# Altium PCB HOST拼板.PcbDoc (part 2 of 4)
Units mm, origin at the board's own origin, x right, y up, seen from the top; angles counter-clockwise.
Board outline 115.7 x 187.58 mm, 2 copper layers (Top Layer, Bottom Layer); 330 components, 0 nets, 987 pads, 525 vias.
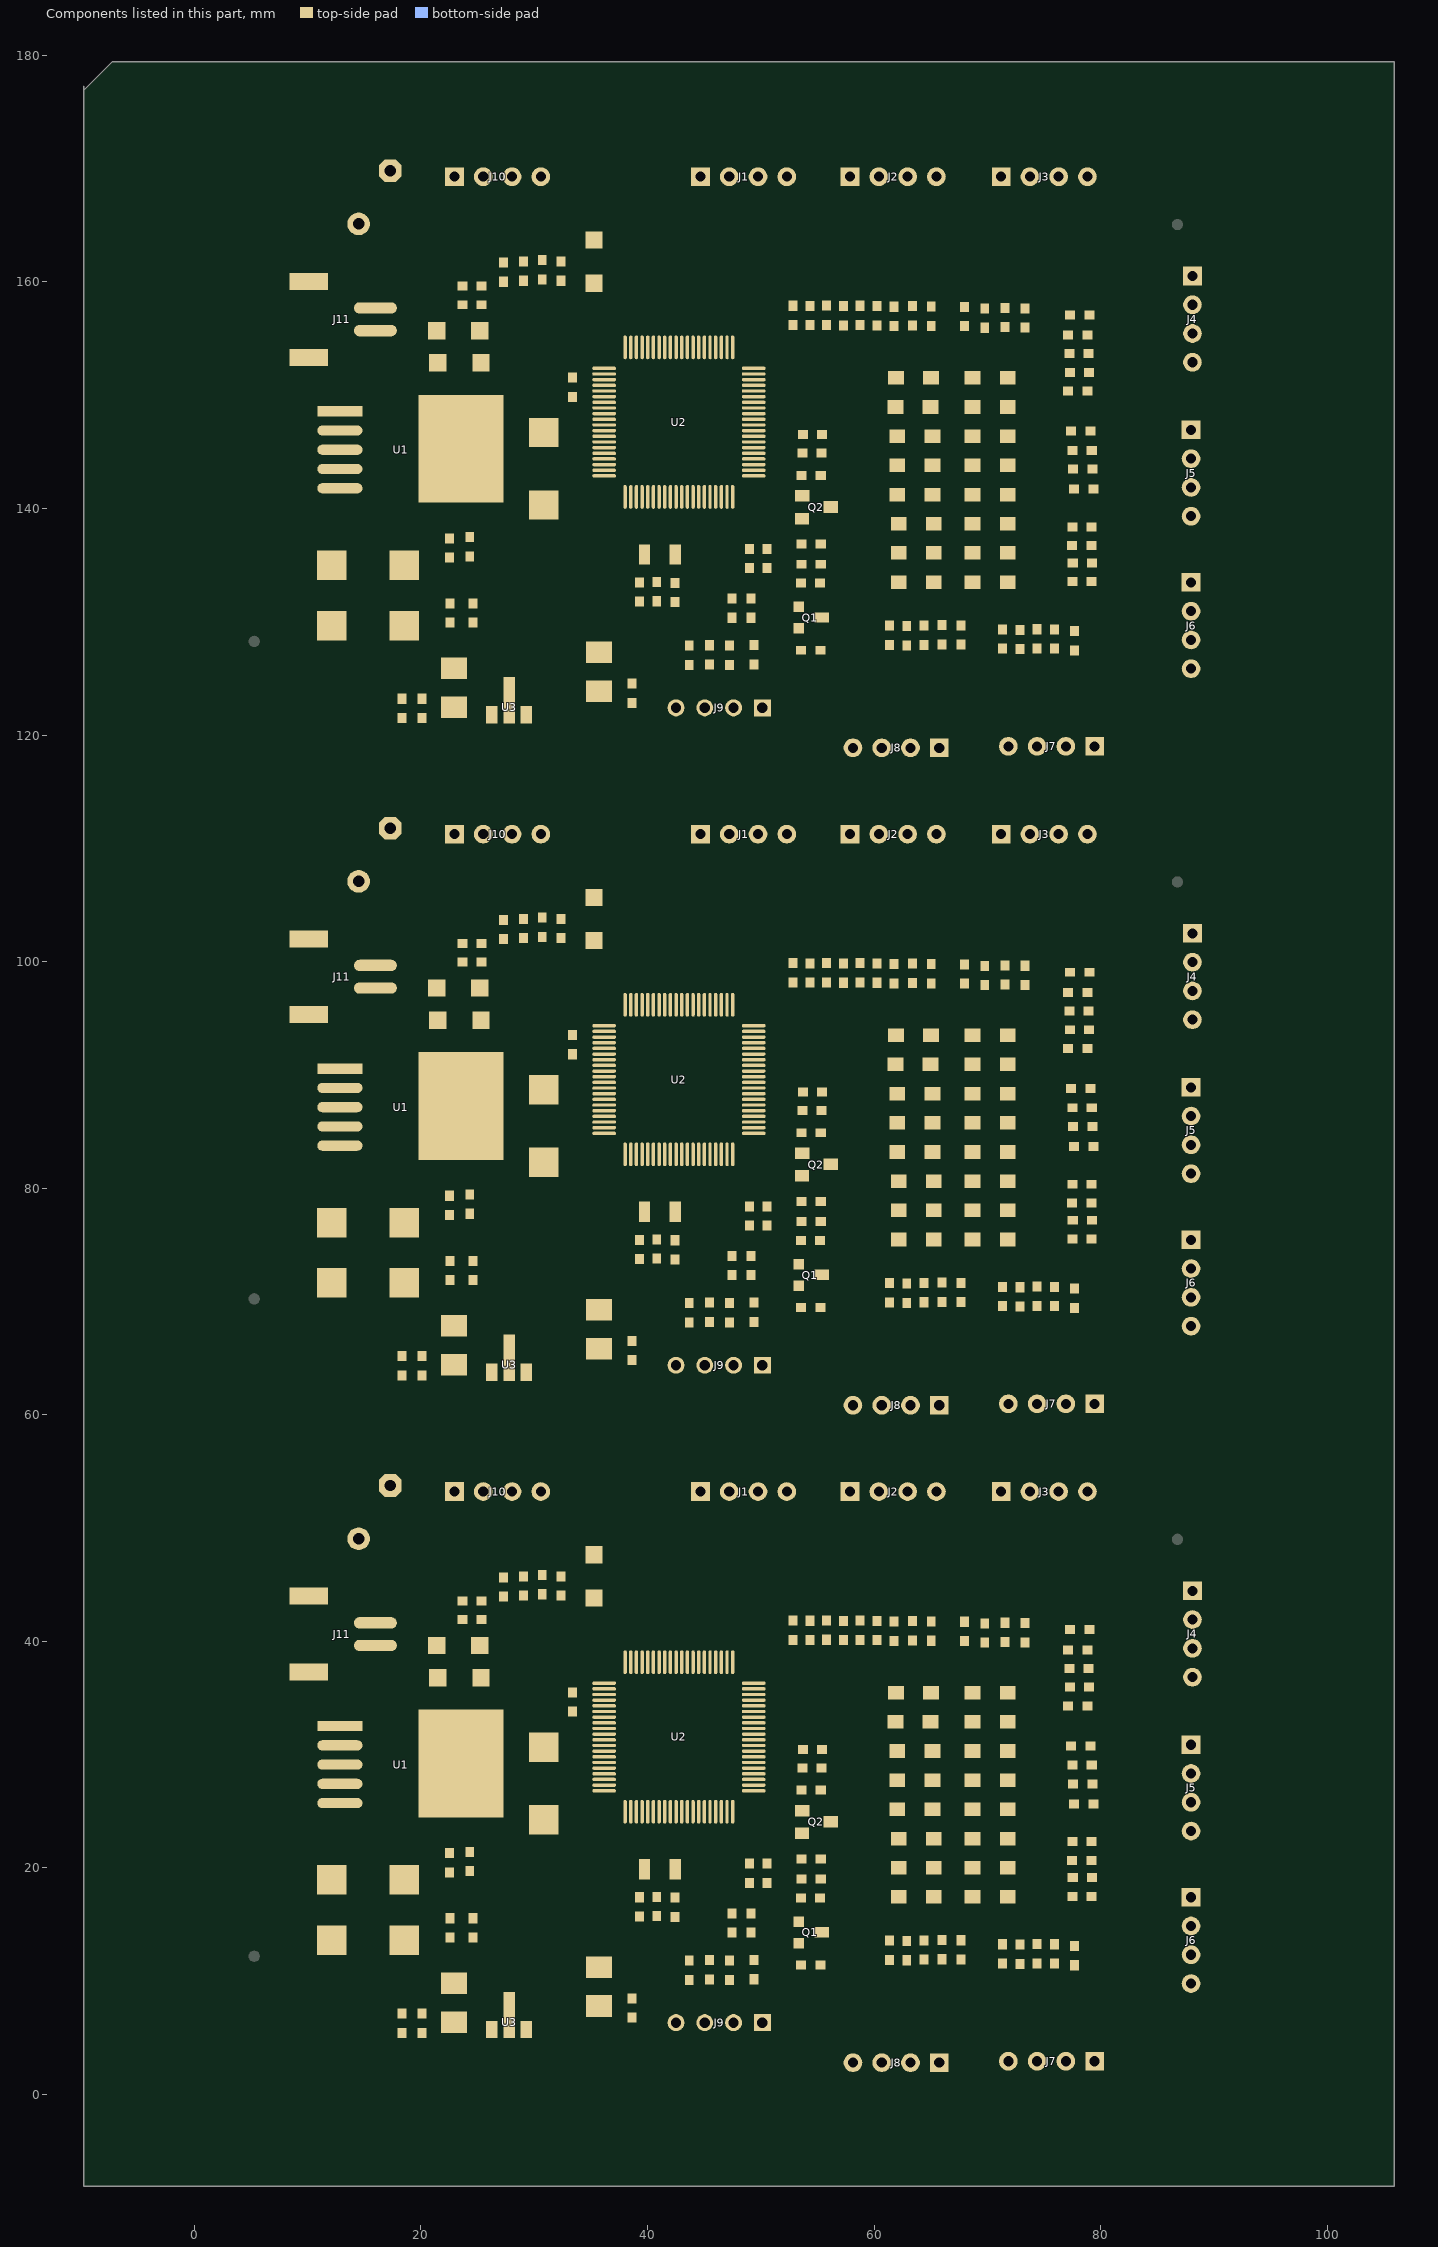
[diagram p2: the components of this part, seen from the top]

## Via types
v1: diameter 0.635, hole 0.381, Top Layer to Bottom Layer, tented both sides, 519 vias
v2: diameter 1.016, hole 0.635, Top Layer to Bottom Layer, tented both sides, 6 vias

## Nets (pads, with @x,y where several pads share a name; then routed paths per layer and width w, separated by ;. In a path a pad name is that pad's centre, name@x,y a point inside that pad or via, vN(x,y) a via of type N, cw(c..) or ccw(c..) an arc to the next point about the centre after c; other vN are vias at no path point) (continued)
copper on no net: (continued)
  Top Layer w0.254: 25.008,52.719 cw(c22.282,49.994) 26.137,49.994 ; 25.008,110.758 cw(c22.282,108.033) 26.137,108.033 ; 25.008,168.797 cw(c22.282,166.072) 26.137,166.072 ; 25.187,52.899 cw(c22.895,50.607) 26.137,50.607 ; 25.187,110.938 cw(c22.895,108.646) 26.137,108.646 ; 25.187,168.977 cw(c22.895,166.685) 26.137,166.685 ; 25.367,53.078 cw(c23.509,51.22) 26.137,51.22 ; 25.367,111.117 cw(c23.509,109.259) 26.137,109.259 ; 25.367,169.156 cw(c23.509,167.298) 26.137,167.298 ; 25.502,53.213 26.137,52.578 26.137,45.085 27.28,43.942 ; 25.502,111.252 26.137,110.617 26.137,103.124 27.28,101.981 ; 25.502,169.291 26.137,168.656 26.137,161.163 27.28,160.02 ; 25.547,53.258 cw(c24.122,51.833) 26.137,51.833 ; 25.547,111.297 cw(c24.122,109.872) 26.137,109.872 ; 25.547,169.336 cw(c24.122,167.911) 26.137,167.911 ; 25.726,53.438 cw(c24.735,52.446) 26.137,52.446 ; 25.726,111.477 cw(c24.735,110.485) 26.137,110.485 ; 25.726,169.516 cw(c24.735,168.524) 26.137,168.524 ; 26.738,44.484 ccw(c27.28,45.026) 27.28,44.259 ; 26.738,102.523 ccw(c27.28,103.065) 27.28,102.298 ; 26.738,160.562 ccw(c27.28,161.104) 27.28,160.338 ; 26.86,44.361 cw(c26.492,43.993) 27.013,43.993 ; 26.86,102.4 cw(c26.492,102.032) 27.013,102.032 ; 26.86,160.439 cw(c26.492,160.071) 27.013,160.071 ; 27.343,53.213 cw(c25.657,53.213) 26.849,52.021 cw(c28.042,50.828) 28.042,52.514 ; 27.343,111.252 cw(c25.657,111.252) 26.849,110.06 cw(c28.042,108.867) 28.042,110.553 ; 27.343,169.291 cw(c25.657,169.291) 26.849,168.099 cw(c28.042,166.906) 28.042,168.593 ; 27.597,53.213 cw(c26.524,53.213) 27.283,52.454 cw(c28.042,51.695) 28.042,52.768 ; 27.597,111.252 cw(c26.524,111.252) 27.283,110.493 cw(c28.042,109.734) 28.042,110.807 ; 27.597,169.291 cw(c26.524,169.291) 27.283,168.532 cw(c28.042,167.773) 28.042,168.846 ; 28.042,53.213 26.746,51.918 26.746,49.759 29.99,46.515 29.99,44.864 30.709,44.145 ; 28.042,111.252 26.746,109.957 26.746,107.798 29.99,104.554 29.99,102.903 30.709,102.184 ; 28.042,169.291 26.746,167.996 26.746,165.837 29.99,162.593 29.99,160.942 30.709,160.223 ; 30.167,44.687 ccw(c30.709,45.229) 30.709,44.463 ; 30.167,102.726 ccw(c30.709,103.268) 30.709,102.502 ; 30.167,160.765 ccw(c30.709,161.307) 30.709,160.541 ; 30.289,44.565 cw(c29.921,44.196) 30.442,44.196 ; 30.289,102.604 cw(c29.921,102.235) 30.442,102.235 ; 30.289,160.643 cw(c29.921,160.274) 30.442,160.274 ; 30.709,45.529 cw(c30.709,44.763) 31.251,45.305 ; 30.709,45.847 32.36,44.196 32.36,44.031 33.376,43.015 33.376,41.046 ; 30.709,103.569 cw(c30.709,102.802) 31.251,103.344 ; 30.709,103.886 32.36,102.235 32.36,102.07 33.376,101.054 33.376,99.085 ; 30.709,161.607 cw(c30.709,160.841) 31.251,161.383 ; 30.709,161.925 32.36,160.274 32.36,160.109 33.376,159.093 33.376,157.124 ; 30.975,45.796 ccw(c31.497,45.796) 31.128,45.428 ; 30.975,103.835 ccw(c31.497,103.835) 31.128,103.467 ; 30.975,161.874 ccw(c31.497,161.874) 31.128,161.506 ; 31.823,44.732 cw(c31.173,44.081) 32.093,44.081 ; 31.823,102.771 cw(c31.173,102.12) 32.093,102.12 ; 31.823,160.81 cw(c31.173,160.159) 32.093,160.159 ; 32.1,44.456 ccw(c32.36,44.716) 32.36,44.348 ; 32.1,102.495 ccw(c32.36,102.755) 32.36,102.387 ; 32.1,160.534 ccw(c32.36,160.794) 32.36,160.426 ; 32.36,43.713 cw(c32.36,42.947) 32.902,43.489 ; 32.36,101.752 cw(c32.36,100.986) 32.902,101.528 ; 32.36,159.791 cw(c32.36,159.025) 32.902,159.567 ; 32.626,43.98 ccw(c33.148,43.98) 32.779,43.611 ; 32.626,102.019 ccw(c33.148,102.019) 32.779,101.65 ; 32.626,160.058 ccw(c33.148,160.058) 32.779,159.689 ; 33.187,35.723 ccw(c32.732,36.178) 33.376,36.178 ccw(c34.019,36.178) 33.564,35.723 ; 33.187,93.762 ccw(c32.732,94.217) 33.376,94.217 ccw(c34.019,94.217) 33.564,93.762 ; 33.187,151.801 ccw(c32.732,152.256) 33.376,152.256 ccw(c34.019,152.256) 33.564,151.801 ; 33.331,33.596 ccw(c33.426,34.099) 33.787,33.737 ; 33.331,91.635 ccw(c33.426,92.138) 33.787,91.776 ; 33.331,149.674 ccw(c33.426,150.177) 33.787,149.815 ; 33.376,33.782 33.833,33.782 ; 33.376,41.681 33.376,41.046 ; 33.376,91.821 33.833,91.821 ; 33.376,99.72 33.376,99.085 ; 33.376,149.86 33.833,149.86 ; 33.376,157.759 33.376,157.124 ; 33.378,33.845 ccw(c33.534,34.671) 34.128,34.077 ; 33.378,91.884 ccw(c33.534,92.71) 34.128,92.116 ; 33.378,149.923 ccw(c33.534,150.749) 34.128,150.155 ; 33.425,34.095 ccw(c33.641,35.243) 34.468,34.417 ; 33.425,92.134 ccw(c33.641,93.282) 34.468,92.456 ; 33.425,150.173 ccw(c33.641,151.321) 34.468,150.495 ; 33.577,35.309 cw(c33.96,34.977) 33.96,35.484 ; 33.577,35.658 ccw(c33.96,35.99) 33.96,35.484 ; 33.577,93.348 cw(c33.96,93.016) 33.96,93.523 ; 33.577,93.697 ccw(c33.96,94.029) 33.96,93.523 ; 33.577,151.387 cw(c33.96,151.055) 33.96,151.562 ; 33.577,151.736 ccw(c33.96,152.068) 33.96,151.562 ; 33.608,33.651 cw(c33.833,33.523) 33.833,33.782 ; 33.608,33.913 ccw(c33.833,34.041) 33.833,33.782 ; 33.608,91.69 cw(c33.833,91.562) 33.833,91.821 ; 33.608,91.952 ccw(c33.833,92.08) 33.833,91.821 ; 33.608,149.729 cw(c33.833,149.601) 33.833,149.86 ; 33.608,149.991 ccw(c33.833,150.119) 33.833,149.86 ; 36.174,35.297 34.662,35.297 34.468,35.103 34.468,34.417 ; 36.174,36.297 34.773,36.297 33.96,35.484 ; 36.174,93.336 34.662,93.336 34.468,93.142 34.468,92.456 ; 36.174,94.336 34.773,94.336 33.96,93.523 ; 36.174,151.375 34.662,151.375 34.468,151.181 34.468,150.495 ; 36.174,152.375 34.773,152.375 33.96,151.562 ; 38.589,16.806 cw(c37.531,15.748) 39.027,15.748 ; 38.589,74.845 cw(c37.531,73.787) 39.027,73.787 ; 38.589,132.884 cw(c37.531,131.826) 39.027,131.826 ; 39.023,16.372 cw(c38.398,15.748) 39.281,15.748 ; 39.023,74.411 cw(c38.398,73.787) 39.281,73.787 ; 39.023,132.45 cw(c38.398,131.826) 39.281,131.826 ; 39.105,17.638 ccw(c38.65,18.094) 39.294,18.094 ccw(c39.938,18.094) 39.482,17.638 ccw(c39.968,18.124) 39.968,17.437 ; 39.105,75.677 ccw(c38.65,76.133) 39.294,76.133 ccw(c39.938,76.133) 39.482,75.677 ccw(c39.968,76.163) 39.968,75.476 ; 39.105,133.716 ccw(c38.65,134.172) 39.294,134.172 ccw(c39.938,134.172) 39.482,133.716 ccw(c39.968,134.202) 39.968,133.515 ; 39.294,15.697 39.294,16.101 38.575,16.82 38.575,20.82 39.065,21.311 42.436,21.311 43.024,21.898 43.024,24.947 ; 39.294,73.736 39.294,74.14 38.575,74.859 38.575,78.859 39.065,79.35 42.436,79.35 43.024,79.937 43.024,82.986 ; 39.294,131.775 39.294,132.179 38.575,132.898 38.575,136.898 39.065,137.389 42.436,137.389 43.024,137.976 43.024,141.025 ; 39.482,17.261 cw(c39.908,16.836) 39.908,17.437 ; 39.482,75.3 cw(c39.908,74.875) 39.908,75.476 ; 39.482,133.339 cw(c39.908,132.914) 39.908,133.515 ; 39.607,19.116 cw(c39.528,18.915) 39.743,18.915 ; 39.607,77.155 cw(c39.528,76.954) 39.743,76.954 ; 39.607,135.194 cw(c39.528,134.993) 39.743,134.993 ; 39.743,19.863 39.743,18.915 ; 39.743,77.902 39.743,76.954 ; 39.743,135.941 39.743,134.993 ; 39.88,19.116 ccw(c39.959,18.915) 39.743,18.915 ; 39.88,77.155 ccw(c39.959,76.954) 39.743,76.954 ; 39.88,135.194 ccw(c39.959,134.993) 39.743,134.993 ; 40.629,17.249 ccw(c40.174,16.793) 40.174,17.437 ccw(c40.174,18.081) 40.629,17.626 ; 40.629,75.288 ccw(c40.174,74.832) 40.174,75.476 ccw(c40.174,76.12) 40.629,75.665 ; 40.629,133.327 ccw(c40.174,132.871) 40.174,133.515 ccw(c40.174,134.159) 40.629,133.704 ; 40.818,15.736 40.894,15.659 42.443,15.659 ; 40.818,17.437 39.332,17.437 39.294,17.399 39.294,18.466 39.743,18.915 ; 40.818,73.775 40.894,73.698 42.443,73.698 ; 40.818,75.476 39.332,75.476 39.294,75.438 39.294,76.505 39.743,76.954 ; 40.818,131.814 40.894,131.737 42.443,131.737 ; 40.818,133.515 39.332,133.515 39.294,133.477 39.294,134.544 39.743,134.993 ; 41.006,15.496 cw(c41.4,15.102) 41.4,15.659 ; 41.006,15.873 ccw(c41.523,16.39) 41.523,15.659 ; 41.006,73.535 cw(c41.4,73.141) 41.4,73.698 ; 41.006,73.912 ccw(c41.523,74.429) 41.523,73.698 ; 41.006,131.574 cw(c41.4,131.18) 41.4,131.737 ; 41.006,131.951 ccw(c41.523,132.468) 41.523,131.737 ; v1@41.826,26.713 cw(c41.409,26.296) 41.999,26.296 ; v1@41.826,84.752 cw(c41.409,84.335) 41.999,84.335 ; v1@41.826,142.791 cw(c41.409,142.374) 41.999,142.374 ; v1(41.961,26.848) 41.999,26.81 41.999,24.972 42.024,24.947 ; v1(41.961,84.887) 41.999,84.849 41.999,83.011 42.024,82.986 ; v1(41.961,142.926) 41.999,142.888 41.999,141.05 42.024,141.025 ; 41.999,26.479 cw(c42.329,26.479) v1@42.096,26.713 ; 41.999,84.518 cw(c42.329,84.518) v1@42.096,84.752 ; 41.999,142.557 cw(c42.329,142.557) v1@42.096,142.791 ; 42.079,6.765 ccw(c41.016,7.829) 42.52,7.829 ccw(c44.024,7.829) 42.96,6.765 ; 42.079,64.804 ccw(c41.016,65.868) 42.52,65.868 ccw(c44.024,65.868) 42.96,64.804 ; 42.079,122.843 ccw(c41.016,123.907) 42.52,123.907 ccw(c44.024,123.907) 42.96,122.843 ; v1@42.08,22.969 ccw(c41.009,24.04) 42.524,24.04 ; v1@42.08,81.008 ccw(c41.009,82.079) 42.524,82.079 ; v1@42.08,139.047 ccw(c41.009,140.118) 42.524,140.118 ; 42.18,19.199 cw(c41.543,18.562) 42.443,18.562 cw(c43.344,18.562) 42.707,19.199 ; 42.18,77.238 cw(c41.543,76.601) 42.443,76.601 cw(c43.344,76.601) 42.707,77.238 ; 42.18,135.277 cw(c41.543,134.64) 42.443,134.64 cw(c43.344,134.64) 42.707,135.277 ; v1(42.215,22.835) 42.524,23.143 42.524,24.947 ; v1(42.215,80.874) 42.524,81.182 42.524,82.986 ; v1(42.215,138.913) 42.524,139.221 42.524,141.025 ; 42.255,15.471 ccw(c41.8,15.015) 41.8,15.659 ccw(c41.8,16.303) 42.255,15.848 ; 42.255,17.601 ccw(c41.8,18.056) 42.443,18.056 ccw(c43.087,18.056) 42.632,17.601 ; 42.255,73.51 ccw(c41.8,73.054) 41.8,73.698 ccw(c41.8,74.342) 42.255,73.887 ; 42.255,75.64 ccw(c41.8,76.095) 42.443,76.095 ccw(c43.087,76.095) 42.632,75.64 ; 42.255,131.549 ccw(c41.8,131.093) 41.8,131.737 ccw(c41.8,132.381) 42.255,131.926 ; 42.255,133.679 ccw(c41.8,134.134) 42.443,134.134 ccw(c43.087,134.134) 42.632,133.679 ; 42.259,6.586 ccw(c41.629,7.215) 42.52,7.215 ccw(c43.41,7.215) 42.781,6.586 ; v1@42.26,22.79 ccw(c41.623,23.427) 42.524,23.427 ; 42.259,64.625 ccw(c41.629,65.254) 42.52,65.254 ccw(c43.41,65.254) 42.781,64.625 ; v1@42.26,80.829 ccw(c41.623,81.466) 42.524,81.466 ; 42.259,122.664 ccw(c41.629,123.293) 42.52,123.293 ccw(c43.41,123.293) 42.781,122.664 ; v1@42.26,138.868 ccw(c41.623,139.505) 42.524,139.505 ; 42.443,17.361 42.443,19.863 42.443,20.371 43.524,21.451 43.524,24.947 ; 42.443,20.636 ccw(c42.443,21.276) 42.896,20.823 ; 42.443,75.4 42.443,77.902 42.443,78.41 43.524,79.49 43.524,82.986 ; 42.443,78.675 ccw(c42.443,79.315) 42.896,78.862 ; 42.443,133.439 42.443,135.941 42.443,136.449 43.524,137.529 43.524,141.025 ; 42.443,136.714 ccw(c42.443,137.354) 42.896,136.901 ; 42.52,6.325 42.52,7.874 43.688,9.042 43.688,10.109 ; 42.52,64.364 42.52,65.913 43.688,67.081 43.688,68.148 ; 42.52,122.403 42.52,123.952 43.688,125.12 43.688,126.187 ; 42.816,20.263 cw(c43.978,20.263) 43.157,21.084 ; 42.816,78.302 cw(c43.978,78.302) 43.157,79.123 ; 42.816,136.341 cw(c43.978,136.341) 43.157,137.162 ; 43.499,9.87 cw(c43.044,9.415) 43.688,9.415 cw(c44.332,9.415) 43.877,9.87 ; 43.499,67.909 cw(c43.044,67.454) 43.688,67.454 cw(c44.332,67.454) 43.877,67.909 ; 43.499,125.948 cw(c43.044,125.493) 43.688,125.493 cw(c44.332,125.493) 43.877,125.948 ; v1@44.374,20.866 cw(c44.374,19.61) 45.262,20.498 ; v1(44.374,21.057) 44.704,21.057 ; v1@44.374,21.12 cw(c44.374,20.477) 44.829,20.932 ; v1@44.374,78.905 cw(c44.374,77.649) 45.262,78.537 ; v1(44.374,79.096) 44.704,79.096 ; v1@44.374,79.159 cw(c44.374,78.516) 44.829,78.971 ; v1@44.374,136.944 cw(c44.374,135.688) 45.262,136.576 ; v1(44.374,137.135) 44.704,137.135 ; v1@44.374,137.198 cw(c44.374,136.555) 44.829,137.01 ; v1@44.495,20.91 cw(c44.672,20.695) 44.869,20.892 ; v1@44.495,78.949 cw(c44.672,78.734) 44.869,78.931 ; v1@44.495,136.988 cw(c44.672,136.773) 44.869,136.97 ; 44.524,24.947 44.524,21.876 46.251,20.149 46.251,17.778 47.473,16.556 ; 44.524,82.986 44.524,79.915 46.251,78.188 46.251,75.817 47.473,74.595 ; 44.524,141.025 44.524,137.954 46.251,136.227 46.251,133.856 47.473,132.634 ; v1@44.539,20.961 cw(c44.704,20.866) 44.704,21.057 ; v1@44.539,21.152 ccw(c44.704,21.247) 44.704,21.057 ; v1@44.539,79 cw(c44.704,78.905) 44.704,79.096 ; v1@44.539,79.191 ccw(c44.704,79.286) 44.704,79.096 ; v1@44.539,137.039 cw(c44.704,136.944) 44.704,137.135 ; v1@44.539,137.23 ccw(c44.704,137.325) 44.704,137.135 ; v1@44.882,19.748 cw(c44.882,19.166) 45.294,19.578 ; v1(44.882,19.939) 44.933,19.939 45.347,19.525 45.347,17.404 46.208,16.543 46.208,13.975 44.747,12.515 44.747,9.365 43.984,8.602 43.984,5.879 44.552,5.312 45.165,4.699 45.441,4.699 46.838,4.699 48.514,4.699 50.14,6.325 49.403,7.061 49.403,10.16 ; v1@44.882,77.787 cw(c44.882,77.205) 45.294,77.617 ; v1(44.882,77.978) 44.933,77.978 45.347,77.564 45.347,75.443 46.208,74.582 46.208,72.014 44.747,70.554 44.747,67.404 43.984,66.641 43.984,63.918 44.552,63.351 45.165,62.738 45.441,62.738 46.838,62.738 48.514,62.738 50.14,64.364 49.403,65.1 49.403,68.199 ; v1@44.882,135.826 cw(c44.882,135.244) 45.294,135.656 ; v1(44.882,136.017) 44.933,136.017 45.347,135.603 45.347,133.482 46.208,132.621 46.208,130.053 44.747,128.593 44.747,125.443 43.984,124.68 43.984,121.957 44.552,121.39 45.165,120.777 45.441,120.777 46.838,120.777 48.514,120.777 50.14,122.403 49.403,123.139 49.403,126.238 ; 45.024,24.947 45.048,24.922 45.048,21.991 46.703,20.336 46.703,17.965 47.32,17.348 47.752,17.348 49.124,15.977 ; 45.024,82.986 45.048,82.961 45.048,80.03 46.703,78.375 46.703,76.004 47.32,75.387 47.752,75.387 49.124,74.016 ; 45.024,141.025 45.048,141 45.048,138.069 46.703,136.414 46.703,134.043 47.32,133.426 47.752,133.426 49.124,132.055 ; v1@45.072,19.939 ccw(c45.41,19.939) 45.171,19.701 ; v1@45.072,77.978 ccw(c45.41,77.978) 45.171,77.74 ; v1@45.072,136.017 ccw(c45.41,136.017) 45.171,135.779 ; 45.466,11.532 cw(c45.466,10.674) 46.073,11.281 ; 45.466,11.849 45.504,11.849 ; 45.466,12.167 ccw(c45.466,13.149) 46.16,12.454 ; 45.466,69.571 cw(c45.466,68.713) 46.073,69.32 ; 45.466,69.888 45.504,69.888 ; 45.466,70.206 ccw(c45.466,71.188) 46.16,70.493 ; 45.466,127.61 cw(c45.466,126.752) 46.073,127.359 ; 45.466,127.927 45.504,127.927 ; 45.466,128.245 ccw(c45.466,129.227) 46.16,128.532 ; 45.733,11.799 ccw(c46.162,11.799) 45.859,11.495 ; 45.733,11.9 cw(c46.039,11.9) 45.822,12.117 ; 45.733,69.838 ccw(c46.162,69.838) 45.859,69.534 ; 45.733,69.939 cw(c46.039,69.939) 45.822,70.156 ; 45.733,127.877 ccw(c46.162,127.877) 45.859,127.573 ; 45.733,127.978 cw(c46.039,127.978) 45.822,128.195 ; v1@45.814,26.84 cw(c45.308,26.334) 46.024,26.334 ; v1@45.814,84.879 cw(c45.308,84.373) 46.024,84.373 ; v1@45.814,142.918 cw(c45.308,142.412) 46.024,142.412 ; v1(45.949,26.975) 46.024,26.9 46.024,24.947 ; v1(45.949,85.014) 46.024,84.939 46.024,82.986 ; v1(45.949,143.053) 46.024,142.978 46.024,141.025 ; 46.524,24.947 46.533,24.938 46.533,23.686 ; 46.524,82.986 46.533,82.977 46.533,81.725 ; 46.524,141.025 46.533,141.016 46.533,139.764 ; 46.702,10.651 ccw(c47.244,11.193) 47.244,10.427 ; 46.702,68.69 ccw(c47.244,69.232) 47.244,68.466 ; 46.702,126.729 ccw(c47.244,127.271) 47.244,126.505 ; 46.825,10.529 cw(c46.456,10.16) 46.977,10.16 ; 46.825,68.568 cw(c46.456,68.199) 46.977,68.199 ; 46.825,126.607 cw(c46.456,126.238) 46.977,126.238 ; 47.055,9.87 cw(c45.742,8.556) 47.6,8.556 ; 47.055,67.909 cw(c45.742,66.595) 47.6,66.595 ; 47.055,125.948 cw(c45.742,124.634) 47.6,124.634 ; 47.159,6.765 ccw(c46.096,7.829) 47.6,7.829 ccw(c49.104,7.829) 48.04,6.765 ; 47.159,64.804 ccw(c46.096,65.868) 47.6,65.868 ccw(c49.104,65.868) 48.04,64.804 ; 47.159,122.843 ccw(c46.096,123.907) 47.6,123.907 ccw(c49.104,123.907) 48.04,122.843 ; 47.219,52.768 cw(c47.219,49.978) 49.192,51.951 ; 47.219,53.023 cw(c47.219,50.846) 48.758,52.385 ; 47.219,53.213 47.93,53.213 49.352,51.791 49.352,48.738 50.435,47.655 53.873,47.655 54.508,47.02 54.508,41.808 ; 47.219,53.276 cw(c47.219,51.713) 48.324,52.819 ; 47.219,110.807 cw(c47.219,108.017) 49.192,109.99 ; 47.219,111.061 cw(c47.219,108.885) 48.758,110.424 ; 47.219,111.252 47.93,111.252 49.352,109.83 49.352,106.777 50.435,105.694 53.873,105.694 54.508,105.059 54.508,99.847 ; 47.219,111.316 cw(c47.219,109.752) 48.324,110.858 ; 47.219,168.846 cw(c47.219,166.056) 49.192,168.029 ; 47.219,169.1 cw(c47.219,166.924) 48.758,168.463 ; 47.219,169.291 47.93,169.291 49.352,167.869 49.352,164.816 50.435,163.733 53.873,163.733 54.508,163.098 54.508,157.886 ; 47.219,169.355 cw(c47.219,167.791) 48.324,168.897 ; 47.235,10.049 cw(c46.355,9.169) 47.6,9.169 ; 47.235,68.088 cw(c46.355,67.208) 47.6,67.208 ; 47.235,126.127 cw(c46.355,125.247) 47.6,125.247 ; 47.314,16.242 ccw(c47.081,16.556) 47.473,16.556 ; 47.314,74.281 ccw(c47.081,74.595) 47.473,74.595 ; 47.314,132.32 ccw(c47.081,132.634) 47.473,132.634 ; 47.339,6.586 ccw(c46.709,7.215) 47.6,7.215 ccw(c48.49,7.215) 47.861,6.586 ; 47.339,64.625 ccw(c46.709,65.254) 47.6,65.254 ccw(c48.49,65.254) 47.861,64.625 ; 47.339,122.664 ccw(c46.709,123.293) 47.6,123.293 ccw(c48.49,123.293) 47.861,122.664 ; 47.415,10.229 cw(c46.968,9.782) 47.6,9.782 ; 47.415,68.268 cw(c46.968,67.821) 47.6,67.821 ; 47.415,126.307 cw(c46.968,125.86) 47.6,125.86 ; 47.473,15.977 47.473,16.556 ; 47.473,74.016 47.473,74.595 ; 47.473,132.055 47.473,132.634 ; 47.6,6.325 47.6,9.754 47.244,10.109 45.504,11.849 ; 47.6,64.364 47.6,67.793 47.244,68.148 45.504,69.888 ; 47.6,122.403 47.6,125.832 47.244,126.187 45.504,127.927 ; 47.631,16.242 cw(c47.864,16.556) 47.473,16.556 ; 47.631,74.281 cw(c47.864,74.595) 47.473,74.595 ; 47.631,132.32 cw(c47.864,132.634) 47.473,132.634 ; 48.582,16.519 ccw(c49.124,17.061) 49.124,16.294 ; 48.582,74.558 ccw(c49.124,75.1) 49.124,74.333 ; 48.582,132.597 ccw(c49.124,133.139) 49.124,132.372 ; 48.704,16.396 cw(c48.336,16.027) 48.857,16.027 ; 48.704,74.435 cw(c48.336,74.066) 48.857,74.066 ; 48.704,132.474 cw(c48.336,132.105) 48.857,132.105 ; v1@48.921,17.748 cw(c49.837,17.748) 49.206,18.412 ; 48.921,18.206 ccw(c48.622,18.206) 48.833,18.417 ; 48.921,18.393 ccw(c49.813,18.393) v1@49.182,17.762 ; v1@48.921,75.787 cw(c49.837,75.787) 49.206,76.451 ; 48.921,76.245 ccw(c48.622,76.245) 48.833,76.456 ; 48.921,76.432 ccw(c49.813,76.432) v1@49.182,75.801 ; v1@48.921,133.826 cw(c49.837,133.826) 49.206,134.49 ; 48.921,134.284 ccw(c48.622,134.284) 48.833,134.495 ; 48.921,134.471 ccw(c49.813,134.471) v1@49.182,133.84 ; 49.022,20.358 50.546,20.358 ; 49.022,78.397 50.546,78.397 ; 49.022,136.436 50.546,136.436 ; v1(49.047,17.628) 48.921,17.754 48.921,18.555 47.422,18.555 50.445,18.555 50.546,18.656 50.546,17.678 v1(50.597,17.628) ; v1(49.047,75.667) 48.921,75.793 48.921,76.594 47.422,76.594 50.445,76.594 50.546,76.695 50.546,75.717 v1(50.597,75.667) ; v1(49.047,133.706) 48.921,133.832 48.921,134.633 47.422,134.633 50.445,134.633 50.546,134.734 50.546,133.756 v1(50.597,133.706) ; 49.211,18.417 cw(c49.544,18.083) 49.544,18.555 ; 49.211,18.794 ccw(c49.787,19.371) 49.787,18.555 ; 49.211,20.169 cw(c49.666,19.714) 49.666,20.358 cw(c49.666,21.002) 49.211,20.546 ; 49.211,76.456 cw(c49.544,76.122) 49.544,76.594 ; 49.211,76.833 ccw(c49.787,77.41) 49.787,76.594 ; 49.211,78.208 cw(c49.666,77.753) 49.666,78.397 cw(c49.666,79.041) 49.211,78.585 ; 49.211,134.495 cw(c49.544,134.161) 49.544,134.633 ; 49.211,134.872 ccw(c49.787,135.449) 49.787,134.633 ; 49.211,136.247 cw(c49.666,135.792) 49.666,136.436 cw(c49.666,137.08) 49.211,136.624 ; 49.214,9.921 cw(c48.759,9.465) 49.403,9.465 cw(c50.047,9.465) 49.592,9.921 ; 49.214,67.96 cw(c48.759,67.504) 49.403,67.504 cw(c50.047,67.504) 49.592,67.96 ; 49.214,125.999 cw(c48.759,125.543) 49.403,125.543 cw(c50.047,125.543) 49.592,125.999 ; 49.265,52.719 cw(c47.582,51.036) 49.962,51.036 ; 49.265,110.758 cw(c47.582,109.075) 49.962,109.075 ; 49.265,168.797 cw(c47.582,167.114) 49.962,167.114 ; 49.374,29.797 50.8,29.797 52.144,29.797 52.4,29.54 52.4,28.296 52.959,27.737 54.407,27.737 55.296,26.848 ; 49.374,30.297 49.398,30.322 53.588,30.322 53.721,30.455 53.721,29.566 ; 49.374,30.797 51.853,30.797 52.4,31.344 54.534,31.344 55.423,30.455 ; 49.374,87.836 50.8,87.836 52.144,87.836 52.4,87.579 52.4,86.335 52.959,85.776 54.407,85.776 55.296,84.887 ; 49.374,88.336 49.398,88.361 53.588,88.361 53.721,88.494 53.721,87.605 ; 49.374,88.836 51.853,88.836 52.4,89.383 54.534,89.383 55.423,88.494 ; 49.374,145.875 50.8,145.875 52.144,145.875 52.4,145.618 52.4,144.374 52.959,143.815 54.407,143.815 55.296,142.926 ; 49.374,146.375 49.398,146.4 53.588,146.4 53.721,146.533 53.721,145.644 ; 49.374,146.875 51.853,146.875 52.4,147.422 54.534,147.422 